# KiCad board Output-mixer.kicad_pcb
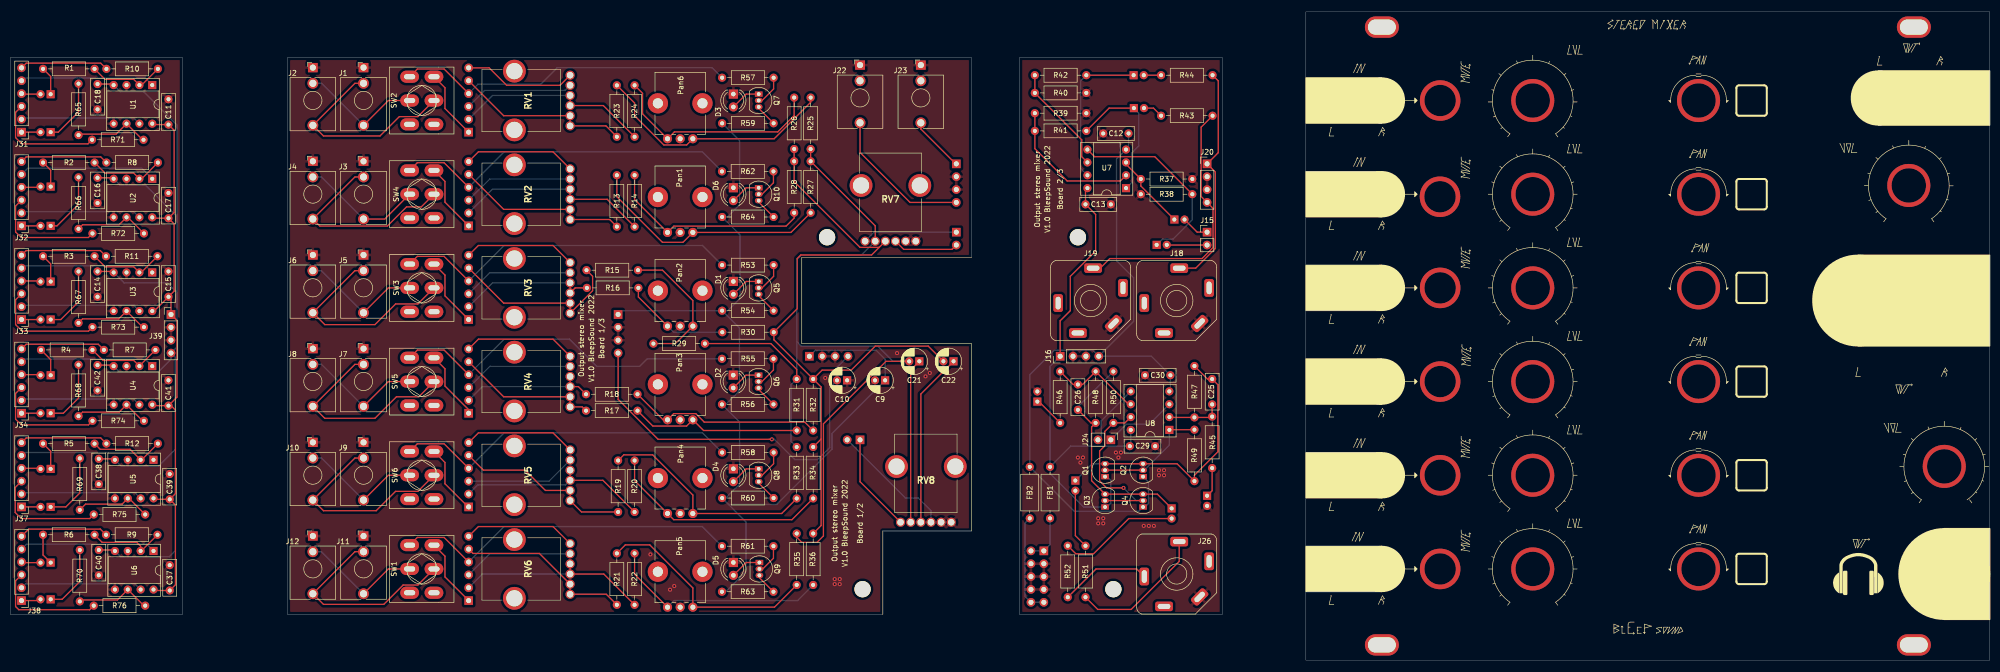
[diagram p0: board, top side]
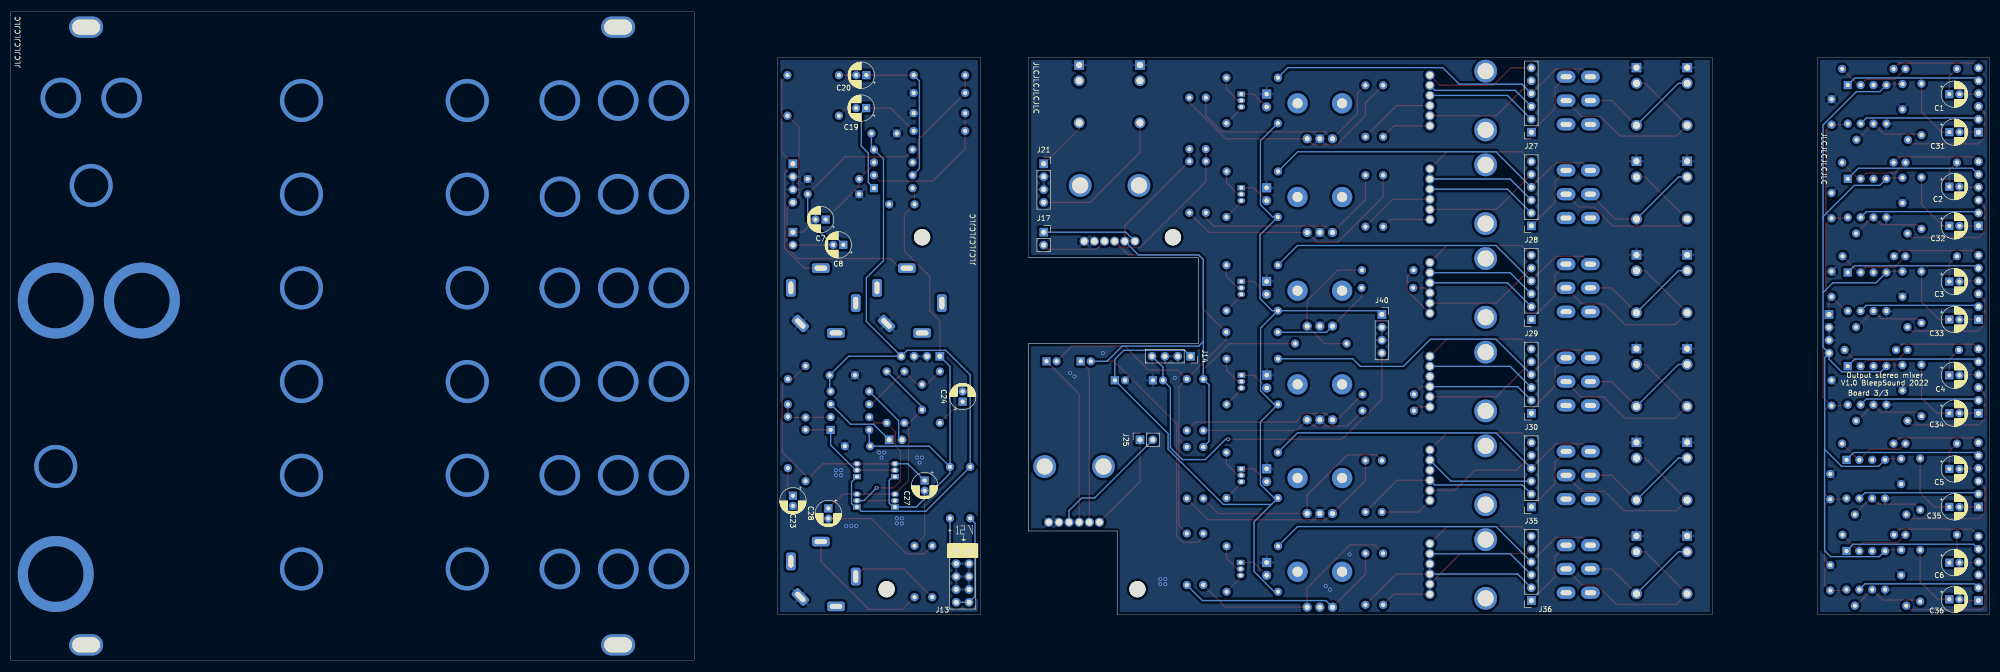
[diagram p1: board, bottom side, seen from below]

Outline 390.75 x 128 mm; copper layers: Top, Bottom. Coordinates in mm from the lower left corner of the outline.
Outline path: 0,119 0,9 34,9 34,119 0,119 ; 54.75,119 54.75,9 172.25,9 172.25,25.5 189.75,25.5 189.75,62.5 156.25,62.5 156.25,79.5 189.75,79.5 189.75,119 54.75,119 ; 199.25,119 199.25,9 239.25,9 239.25,119 199.25,119 ; 255.75,128 255.75,0 390.75,0 390.75,128 255.75,128
Stack: Top 0.035mm / dielectric 1.51mm FR4 er 4.5 / Bottom 0.035mm

## Placement (name value [footprint] x y rotation side)
C1  .1µF  [CP_Radial_D5.0mm_P2.00mm]  8 111.75 180 bottom
C2  .1µF  [CP_Radial_D5.0mm_P2.00mm]  8 93.5 180 bottom
C3  .1µF  [CP_Radial_D5.0mm_P2.00mm]  8 74.75 180 bottom
C4  .1µF  [CP_Radial_D5.0mm_P2.00mm]  8 56.25 180 bottom
C5  .1µF  [CP_Radial_D5.0mm_P2.00mm]  8 37.75 180 bottom
C6  .1µF  [CP_Radial_D5.0mm_P2.00mm]  8 19.25 180 bottom
C7  10µF  [CP_Radial_D5.0mm_P2.00mm]  229.79 87 0 bottom
C8  10µF  [CP_Radial_D5.0mm_P2.00mm]  226.29 82 0 bottom
C9  10µ  [CP_Radial_D5.0mm_P2.00mm]  172.71 55.25 180 top
C10  10µ  [CP_Radial_D5.0mm_P2.00mm]  165.21 55.25 180 top
C11  100nF  [C_Disc_D7.0mm_W2.5mm_P5.00mm]  31.25 105.75 90 top
C12  100nF  [C_Disc_D7.0mm_W2.5mm_P5.00mm]  215.75 104 0 top
C13  100nF  [C_Disc_D7.0mm_W2.5mm_P5.00mm]  212.25 90 0 top
C14  100nF  [C_Disc_D7.0mm_W2.5mm_P5.00mm]  17.25 71.75 90 top
C15  100nF  [C_Disc_D7.0mm_W2.5mm_P5.00mm]  31.25 71.75 90 top
C16  100nF  [C_Disc_D7.0mm_W2.5mm_P5.00mm]  17.25 90.25 90 top
C17  100nF  [C_Disc_D7.0mm_W2.5mm_P5.00mm]  31.25 87.25 90 top
C18  100nF  [C_Disc_D7.0mm_W2.5mm_P5.00mm]  17.25 108.75 90 top
C19  10µF  [CP_Radial_D5.0mm_P2.00mm]  221.79 109 0 bottom
C20  10µF  [CP_Radial_D5.0mm_P2.00mm]  221.75 115.5 0 bottom
C21  1µF  [CP_Radial_D5.0mm_P2.00mm]  179.46 59 180 top
C22  1µF  [CP_Radial_D5.0mm_P2.00mm]  186.21 59 180 top
C23  10µF  [CP_Radial_D5.0mm_P2.00mm]  236.25 32.46 270 bottom
C24  10µF  [CP_Radial_D5.0mm_P2.00mm]  202.75 51.04 90 bottom
C25  470pF  [C_Disc_D7.0mm_W2.5mm_P5.00mm]  237.25 50.5 90 top
C26  470pF  [C_Disc_D7.0mm_W2.5mm_P5.00mm]  210.75 54.42 270 top
C27  10µF  [CP_Radial_D5.0mm_P2.00mm]  210.25 35.46 270 bottom
C28  10µF  [CP_Radial_D5.0mm_P2.00mm]  229.25 29.96 270 bottom
C29  100nF  [C_Disc_D7.0mm_W2.5mm_P5.00mm]  221 42.25 0 top
C30  100nF  [C_Disc_D7.0mm_W2.5mm_P5.00mm]  229 56.25 180 top
C31  .1µF  [CP_Radial_D5.0mm_P2.00mm]  8 104.25 180 bottom
C32  .1µF  [CP_Radial_D5.0mm_P2.00mm]  8 85.75 180 bottom
C33  .1µF  [CP_Radial_D5.0mm_P2.00mm]  8 67.25 180 bottom
C34  .1µF  [CP_Radial_D5.0mm_P2.00mm]  8 48.75 180 bottom
C35  .1µF  [CP_Radial_D5.0mm_P2.00mm]  8 30.25 180 bottom
C36  .1µF  [CP_Radial_D5.0mm_P2.00mm]  8 12 180 bottom
C37  100nF  [C_Disc_D7.0mm_W2.5mm_P5.00mm]  31.5 13.75 90 top
C38  100nF  [C_Disc_D7.0mm_W2.5mm_P5.00mm]  17.5 39.75 270 top
C39  100nF  [C_Disc_D7.0mm_W2.5mm_P5.00mm]  31.5 31.75 90 top
C40  100nF  [C_Disc_D7.0mm_W2.5mm_P5.00mm]  17.5 21.75 270 top
C41  100nF  [C_Disc_D7.0mm_W2.5mm_P5.00mm]  31.25 50.25 90 top
C42  100nF  [C_Disc_D7.0mm_W2.5mm_P5.00mm]  17.25 58.25 270 top
D1  Signal  [LED_D4.0mm]  142.75 74.78 270 top
D2  Signal  [LED_D4.0mm]  142.72 56.28 270 top
D3  Signal  [LED_D4.0mm]  142.75 111.78 270 top
D4  Signal  [LED_D4.0mm]  142.75 37.78 270 top
D5  Signal  [LED_D4.0mm]  142.75 19.28 270 top
D6  Signal  [LED_D4.0mm]  142.75 93.28 270 top
FB1  10R  [L_Axial_L7.0mm_D3.3mm_P10.16mm_Horizontal_Fastron_MICC]  205.25 38.16 270 top
FB2  10R  [L_Axial_L7.0mm_D3.3mm_P10.16mm_Horizontal_Fastron_MICC]  201.25 38.16 270 top
G***  -  [LOGO]  364.8 17 0 top
H1  MountingHole  [Doepfer Mounting hole]  270.75 3 0 top
H2  MountingHole  [Doepfer Mounting hole]  375.75 125 0 top
H3  MountingHole  [Doepfer Mounting hole]  270.75 125 0 top
H4  MountingHole  [Doepfer Mounting hole]  375.75 3 0 top
H5  SpacerHoles  [MountingHole_3.2mm_M3]  168.25 14 0 top
H6  SpacerHoles  [MountingHole_3.2mm_M3]  217.75 14 0 top
H7  SpacerHoles  [MountingHole_3.2mm_M3]  161.25 83.5 0 top
H8  SpacerHoles  [MountingHole_3.2mm_M3]  210.75 83.5 0 top
J1  In  [Thonkiconn]  69.75 117 0 top
J2  In  [Thonkiconn]  59.75 117 0 top
J3  In  [Thonkiconn]  69.75 98.5 0 top
J4  In  [Thonkiconn]  59.75 98.5 0 top
J5  In  [Thonkiconn]  69.75 80 0 top
J6  In  [Thonkiconn]  59.75 80 0 top
J7  In  [Thonkiconn]  69.75 61.5 0 top
J8  In  [Thonkiconn]  59.75 61.5 0 top
J9  In  [Thonkiconn]  69.75 43 0 top
J10  In  [Thonkiconn]  59.75 43 0 top
J11  In  [Thonkiconn]  69.75 24.5 0 top
J12  In  [Thonkiconn]  59.75 24.5 0 top
J13  Power Input  [PinHeader_2x05_P2.54mm_Vertical]  204.03 21.57 180 bottom
J14  Conn_01x04_Female  [PinSocket_1x04_P2.54mm_Vertical]  157.75 60 270 bottom
J15  Conn_01x02_Male  [PinHeader_1x02_P2.54mm_Vertical]  236.25 84.5 0 top
J16  Conn_01x04_Male  [PinHeader_1x04_P2.54mm_Vertical]  207.25 60 90 top
J17  Conn_01x02_Female  [PinSocket_1x02_P2.54mm_Vertical]  186.75 84.5 180 bottom
J18  OutR  [PJ-629HAN]  230.25 71 0 top
J19  OutL  [PJ-629HAN]  213.25 71 0 top
J20  Jack 3.5 Out  [PinHeader_1x04_P2.54mm_Vertical]  236.25 98 0 top
J21  Jack 3.5 Out  [PinSocket_1x04_P2.54mm_Vertical]  186.75 98 180 bottom
J22  OutL  [Thonkiconn]  167.75 117.5 0 top
J23  OutR  [Thonkiconn]  179.75 117.5 0 top
J24  Conn_01x02_Male  [PinHeader_1x02_P2.54mm_Vertical]  217.25 43.5 270 top
J25  Conn_01x02_Female  [PinSocket_1x02_P2.54mm_Vertical]  167.75 43.5 90 bottom
J26  OutHeadStereo  [PJ-629HAN]  230.25 17 0 top
J27  Conn_01x06_Female  [PinSocket_1x06_P2.54mm_Vertical]  90.5 104.25 0 bottom
J28  Conn_01x06_Female  [PinSocket_1x06_P2.54mm_Vertical]  90.5 85.75 0 bottom
J29  Conn_01x06_Female  [PinSocket_1x06_P2.54mm_Vertical]  90.5 67.25 0 bottom
J30  Conn_01x06_Female  [PinSocket_1x06_P2.54mm_Vertical]  90.5 48.75 0 bottom
J31  Conn_01x06_Male  [PinHeader_1x06_P2.54mm_Vertical]  2.25 104.25 180 top
J32  Conn_01x06_Male  [PinHeader_1x06_P2.54mm_Vertical]  2.25 85.75 180 top
J33  Conn_01x06_Male  [PinHeader_1x06_P2.54mm_Vertical]  2.25 67.25 180 top
J34  Conn_01x06_Male  [PinHeader_1x06_P2.54mm_Vertical]  2.25 48.75 180 top
J35  Conn_01x06_Female  [PinSocket_1x06_P2.54mm_Vertical]  90.5 30.25 0 bottom
J36  Conn_01x06_Female  [PinSocket_1x06_P2.54mm_Vertical]  90.5 11.75 0 bottom
J37  Conn_01x06_Male  [PinHeader_1x06_P2.54mm_Vertical]  2.25 30.25 180 top
J38  Conn_01x06_Male  [PinHeader_1x06_P2.54mm_Vertical]  2.25 11.75 180 top
J39  Conn_01x04_Male  [PinHeader_1x04_P2.54mm_Vertical]  31.75 68.25 0 top
J40  Conn_01x04_Female  [PinSocket_1x04_P2.54mm_Vertical]  120 68.25 180 bottom
Pan1  50k  [Pot-bourns-alpha]  134.75 84.45 90 top
Pan2  50k  [Pot-bourns-alpha]  134.75 65.95 90 top
Pan3  50k  [Pot-bourns-alpha]  134.75 47.45 90 top
Pan4  50k  [Pot-bourns-alpha]  134.75 28.95 90 top
Pan5  50k  [Pot-bourns-alpha]  134.75 10.45 90 top
Pan6  50k  [Pot-bourns-alpha]  134.75 102.95 90 top
Q1  BC548  [TO-92_Inline]  216.11 36.23 90 top
Q2  BC558  [TO-92_Inline]  223.61 36.23 90 top
Q3  BC548  [TO-92_Inline]  216.11 30.23 90 top
Q4  BC558  [TO-92_Inline]  223.61 30.23 90 top
Q5  2N3904  [TO-92_Inline]  147.75 74.77 270 top
Q6  2N3904  [TO-92_Inline]  147.72 56.27 270 top
Q7  2N3904  [TO-92_Inline]  147.75 111.78 270 top
Q8  2N3904  [TO-92_Inline]  147.75 37.77 270 top
Q9  2N3904  [TO-92_Inline]  147.89 19.27 270 top
Q10  2N3904  [TO-92_Inline]  147.75 93.27 270 top
R1  10k  [R_Axial_DIN0207_L6.3mm_D2.5mm_P10.16mm_Horizontal]  16.66 116.75 180 top
R2  100k  [R_Axial_DIN0207_L6.3mm_D2.5mm_P10.16mm_Horizontal]  16.66 98.25 180 top
R3  100k  [R_Axial_DIN0207_L6.3mm_D2.5mm_P10.16mm_Horizontal]  16.66 79.75 180 top
R4  100k  [R_Axial_DIN0207_L6.3mm_D2.5mm_P10.16mm_Horizontal]  16.25 61.25 180 top
R5  100k  [R_Axial_DIN0207_L6.3mm_D2.5mm_P10.16mm_Horizontal]  16.66 42.75 180 top
R6  100k  [R_Axial_DIN0207_L6.3mm_D2.5mm_P10.16mm_Horizontal]  16.66 24.75 180 top
R7  10k  [R_Axial_DIN0207_L6.3mm_D2.5mm_P10.16mm_Horizontal]  18.51 61.25 0 top
R8  10k  [R_Axial_DIN0207_L6.3mm_D2.5mm_P10.16mm_Horizontal]  19 98.25 0 top
R9  10k  [R_Axial_DIN0207_L6.3mm_D2.5mm_P10.16mm_Horizontal]  18.92 24.75 0 top
R10  1k  [R_Axial_DIN0207_L6.3mm_D2.5mm_P10.16mm_Horizontal]  19 116.75 0 top
R11  10k  [R_Axial_DIN0207_L6.3mm_D2.5mm_P10.16mm_Horizontal]  18.92 79.75 0 top
R12  10k  [R_Axial_DIN0207_L6.3mm_D2.5mm_P10.16mm_Horizontal]  19 42.75 0 top
R13  2k2  [R_Axial_DIN0207_L6.3mm_D2.5mm_P10.16mm_Horizontal]  119.75 85.59 90 top
R14  2k2  [R_Axial_DIN0207_L6.3mm_D2.5mm_P10.16mm_Horizontal]  123.25 95.75 270 top
R15  2k2  [R_Axial_DIN0207_L6.3mm_D2.5mm_P10.16mm_Horizontal]  113.76 77 0 top
R16  2k2  [R_Axial_DIN0207_L6.3mm_D2.5mm_P10.16mm_Horizontal]  124 73.5 180 top
R17  2k2  [R_Axial_DIN0207_L6.3mm_D2.5mm_P10.16mm_Horizontal]  113.67 49.25 0 top
R18  2k2  [R_Axial_DIN0207_L6.3mm_D2.5mm_P10.16mm_Horizontal]  123.83 52.5 180 top
R19  2k2  [R_Axial_DIN0207_L6.3mm_D2.5mm_P10.16mm_Horizontal]  120 29.25 90 top
R20  2k2  [R_Axial_DIN0207_L6.3mm_D2.5mm_P10.16mm_Horizontal]  123.25 39.41 270 top
R21  2k2  [R_Axial_DIN0207_L6.3mm_D2.5mm_P10.16mm_Horizontal]  119.75 10.92 90 top
R22  2k2  [R_Axial_DIN0207_L6.3mm_D2.5mm_P10.16mm_Horizontal]  123.25 21.08 270 top
R23  2k2  [R_Axial_DIN0207_L6.3mm_D2.5mm_P10.16mm_Horizontal]  119.75 103.34 90 top
R24  2k2  [R_Axial_DIN0207_L6.3mm_D2.5mm_P10.16mm_Horizontal]  123.25 113.5 270 top
R25  47k  [R_Axial_DIN0207_L6.3mm_D2.5mm_P10.16mm_Horizontal]  158 111.08 270 top
R26  47k  [R_Axial_DIN0207_L6.3mm_D2.5mm_P10.16mm_Horizontal]  154.75 100.92 90 top
R27  47k  [R_Axial_DIN0207_L6.3mm_D2.5mm_P10.16mm_Horizontal]  158 88.34 90 top
R28  47k  [R_Axial_DIN0207_L6.3mm_D2.5mm_P10.16mm_Horizontal]  154.75 98.5 270 top
R29  47k  [R_Axial_DIN0207_L6.3mm_D2.5mm_P10.16mm_Horizontal]  126.97 62.5 0 top
R30  47k  [R_Axial_DIN0207_L6.3mm_D2.5mm_P10.16mm_Horizontal]  150.72 64.75 180 top
R31  47k  [R_Axial_DIN0207_L6.3mm_D2.5mm_P10.16mm_Horizontal]  155.25 45.34 90 top
R32  47k  [R_Axial_DIN0207_L6.3mm_D2.5mm_P10.16mm_Horizontal]  158.5 55.5 270 top
R33  47k  [R_Axial_DIN0207_L6.3mm_D2.5mm_P10.16mm_Horizontal]  155.25 31.92 90 top
R34  47k  [R_Axial_DIN0207_L6.3mm_D2.5mm_P10.16mm_Horizontal]  158.5 42.08 270 top
R35  47k  [R_Axial_DIN0207_L6.3mm_D2.5mm_P10.16mm_Horizontal]  155.25 14.84 90 top
R36  47k  [R_Axial_DIN0207_L6.3mm_D2.5mm_P10.16mm_Horizontal]  158.5 25 270 top
R37  100k  [R_Axial_DIN0207_L6.3mm_D2.5mm_P10.16mm_Horizontal]  233.33 95 180 top
R38  100k  [R_Axial_DIN0207_L6.3mm_D2.5mm_P10.16mm_Horizontal]  223.17 92 0 top
R39  100k  [R_Axial_DIN0207_L6.3mm_D2.5mm_P10.16mm_Horizontal]  212.41 108 180 top
R40  100k  [R_Axial_DIN0207_L6.3mm_D2.5mm_P10.16mm_Horizontal]  212.41 112 180 top
R41  100k  [R_Axial_DIN0207_L6.3mm_D2.5mm_P10.16mm_Horizontal]  212.41 104.5 180 top
R42  100k  [R_Axial_DIN0207_L6.3mm_D2.5mm_P10.16mm_Horizontal]  212.41 115.5 180 top
R43  470R  [R_Axial_DIN0207_L6.3mm_D2.5mm_P10.16mm_Horizontal]  237.33 107.5 180 top
R44  470R  [R_Axial_DIN0207_L6.3mm_D2.5mm_P10.16mm_Horizontal]  237.33 115.5 180 top
R45  1k  [R_Axial_DIN0207_L6.3mm_D2.5mm_P10.16mm_Horizontal]  237.25 37.92 90 top
R46  1k  [R_Axial_DIN0207_L6.3mm_D2.5mm_P10.16mm_Horizontal]  207.25 46.84 90 top
R47  10k  [R_Axial_DIN0207_L6.3mm_D2.5mm_P10.16mm_Horizontal]  233.75 47.92 90 top
R48  10k  [R_Axial_DIN0207_L6.3mm_D2.5mm_P10.16mm_Horizontal]  214.25 57 270 top
R49  560R  [R_Axial_DIN0207_L6.3mm_D2.5mm_P10.16mm_Horizontal]  233.75 45.5 270 top
R50  560R  [R_Axial_DIN0207_L6.3mm_D2.5mm_P10.16mm_Horizontal]  217.75 46.84 90 top
R51  47R  [R_Axial_DIN0207_L6.3mm_D2.5mm_P10.16mm_Horizontal]  212.25 12.42 90 top
R52  47R  [R_Axial_DIN0207_L6.3mm_D2.5mm_P10.16mm_Horizontal]  208.75 12.42 90 top
R53  100k  [R_Axial_DIN0207_L6.3mm_D2.5mm_P10.16mm_Horizontal]  140.53 78 0 top
R54  1k  [R_Axial_DIN0207_L6.3mm_D2.5mm_P10.16mm_Horizontal]  140.53 69 0 top
R55  100k  [R_Axial_DIN0207_L6.3mm_D2.5mm_P10.16mm_Horizontal]  140.5 59.5 0 top
R56  1k  [R_Axial_DIN0207_L6.3mm_D2.5mm_P10.16mm_Horizontal]  140.5 50.5 0 top
R57  100k  [R_Axial_DIN0207_L6.3mm_D2.5mm_P10.16mm_Horizontal]  140.53 115 0 top
R58  100k  [R_Axial_DIN0207_L6.3mm_D2.5mm_P10.16mm_Horizontal]  140.53 41 0 top
R59  1k  [R_Axial_DIN0207_L6.3mm_D2.5mm_P10.16mm_Horizontal]  140.53 106 0 top
R60  1k  [R_Axial_DIN0207_L6.3mm_D2.5mm_P10.16mm_Horizontal]  140.53 32 0 top
R61  100k  [R_Axial_DIN0207_L6.3mm_D2.5mm_P10.16mm_Horizontal]  140.5 22.5 0 top
R62  100k  [R_Axial_DIN0207_L6.3mm_D2.5mm_P10.16mm_Horizontal]  140.5 96.5 0 top
R63  1k  [R_Axial_DIN0207_L6.3mm_D2.5mm_P10.16mm_Horizontal]  140.5 13.5 0 top
R64  1k  [R_Axial_DIN0207_L6.3mm_D2.5mm_P10.16mm_Horizontal]  140.53 87.5 0 top
R65  10k  [R_Axial_DIN0207_L6.3mm_D2.5mm_P10.16mm_Horizontal]  13.5 103.67 90 top
R66  10k  [R_Axial_DIN0207_L6.3mm_D2.5mm_P10.16mm_Horizontal]  13.5 85.17 90 top
R67  10k  [R_Axial_DIN0207_L6.3mm_D2.5mm_P10.16mm_Horizontal]  13.5 66.59 90 top
R68  10k  [R_Axial_DIN0207_L6.3mm_D2.5mm_P10.16mm_Horizontal]  13.5 48.17 90 top
R69  10k  [R_Axial_DIN0207_L6.3mm_D2.5mm_P10.16mm_Horizontal]  13.75 29.67 90 top
R70  10k  [R_Axial_DIN0207_L6.3mm_D2.5mm_P10.16mm_Horizontal]  13.75 11.59 90 top
R71  1k  [R_Axial_DIN0207_L6.3mm_D2.5mm_P10.16mm_Horizontal]  16.17 102.75 0 top
R72  1k  [R_Axial_DIN0207_L6.3mm_D2.5mm_P10.16mm_Horizontal]  16.25 84.25 0 top
R73  1k  [R_Axial_DIN0207_L6.3mm_D2.5mm_P10.16mm_Horizontal]  16.25 65.75 0 top
R74  1k  [R_Axial_DIN0207_L6.3mm_D2.5mm_P10.16mm_Horizontal]  16.25 47.25 0 top
R75  1k  [R_Axial_DIN0207_L6.3mm_D2.5mm_P10.16mm_Horizontal]  16.5 28.75 0 top
R76  1k  [R_Axial_DIN0207_L6.3mm_D2.5mm_P10.16mm_Horizontal]  16.5 10.75 0 top
RV1  50k  [PTV1124420AA503]  110.53 107.5 90 top
RV2  50k  [PTV1124420AA503]  110.53 89 90 top
RV3  50k  [PTV1124420AA503]  110.53 70.5 90 top
RV4  50k  [PTV1124420AA503]  110.53 52 90 top
RV5  50k  [PTV1124420AA503]  110.53 33.5 90 top
RV6  50k  [PTV1124420AA503]  110.53 15 90 top
RV7  50k  [PTV1124420AA503]  170.75 82.72 0 top
RV8  50k  [PTV1124420AA503]  177.75 27.22 0 top
SW1  Mute  [SW_DPDT_Toggle]  81.25 18 90 top
SW2  Mute  [SW_DPDT_Toggle]  81.25 110.5 90 top
SW3  Mute  [SW_DPDT_Toggle]  81.25 73.5 90 top
SW4  Mute  [SW_DPDT_Toggle]  81.25 92 90 top
SW5  Mute  [SW_DPDT_Toggle]  81.25 55 90 top
SW6  Mute  [SW_DPDT_Toggle]  81.25 36.5 90 top
U1  TL072  [DIP-8_W7.62mm_Socket]  28.05 113.55 270 top
U2  TL072  [DIP-8_W7.62mm_Socket]  28.05 95.05 270 top
U3  TL072  [DIP-8_W7.62mm_Socket]  28.05 76.55 270 top
U4  TL072  [DIP-8_W7.62mm_Socket]  28.05 58.05 270 top
U5  TL072  [DIP-8_W7.62mm_Socket]  28.3 39.55 270 top
U6  TL072  [DIP-8_W7.62mm_Socket]  28.3 21.55 270 top
U7  TL072  [DIP-8_W7.62mm_Socket]  220.25 93.2 180 top
U8  TL072  [DIP-8_W7.62mm_Socket]  228.8 45.45 180 top

## Footprints (pads in the part's own frame, mm; a bottom-side part is the same pattern mirrored in y, then rotated)
C_Disc_D7.0mm_W2.5mm_P5.00mm
  round 1.6 hole 0.8: 1(0,0) 2(5,0)
CP_Radial_D5.0mm_P2.00mm
  rect 1.6x1.6 hole 0.8: 1(0,0)
  round 1.6 hole 0.8: 2(2,0)
DIP-8_W7.62mm_Socket
  rect 1.6x1.6 hole 0.8: 1(0,0)
  oval 1.6x1.6 hole 0.8: 2(0,-2.54) 3(0,-5.08) 4(0,-7.62) 5(7.62,-7.62) 6(7.62,-5.08) 7(7.62,-2.54) 8(7.62,0)
Doepfer Mounting hole
  oval 6.7x4.2 hole 5.5x3: 1(0,0)
L_Axial_L7.0mm_D3.3mm_P10.16mm_Horizontal_Fastron_MICC
  round 1.6 hole 0.8: 1(0,0)
  oval 1.6x1.6 hole 0.8: 2(10.16,0)
LED_D4.0mm
  rect 1.8x1.8 hole 0.9: 1(0,0)
  round 1.8 hole 0.9: 2(2.54,0)
MountingHole_3.2mm_M3
  round 3.2 hole 3.2 unplated: (0,0)
PinHeader_1x02_P2.54mm_Vertical
  rect 1.7x1.7 hole 1: 1(0,0)
  oval 1.7x1.7 hole 1: 2(0,-2.54)
PinHeader_1x04_P2.54mm_Vertical
  rect 1.7x1.7 hole 1: 1(0,0)
  oval 1.7x1.7 hole 1: 2(0,-2.54) 3(0,-5.08) 4(0,-7.62)
PinHeader_1x06_P2.54mm_Vertical
  rect 1.7x1.7 hole 1: 1(0,0)
  oval 1.7x1.7 hole 1: 2(0,-2.54) 3(0,-5.08) 4(0,-7.62) 5(0,-10.16) 6(0,-12.7)
PinHeader_2x05_P2.54mm_Vertical
  rect 1.7x1.7 hole 1: 1(0,0)
  oval 1.7x1.7 hole 1: 2(2.54,0) 3(0,-2.54) 4(2.54,-2.54) 5(0,-5.08) 6(2.54,-5.08) 7(0,-7.62) 8(2.54,-7.62) 9(0,-10.16) 10(2.54,-10.16)
PinSocket_1x02_P2.54mm_Vertical
  rect 1.7x1.7 hole 1: 1(0,0)
  oval 1.7x1.7 hole 1: 2(0,-2.54)
PinSocket_1x04_P2.54mm_Vertical
  rect 1.7x1.7 hole 1: 1(0,0)
  oval 1.7x1.7 hole 1: 2(0,-2.54) 3(0,-5.08) 4(0,-7.62)
PinSocket_1x06_P2.54mm_Vertical
  rect 1.7x1.7 hole 1: 1(0,0)
  oval 1.7x1.7 hole 1: 2(0,-2.54) 3(0,-5.08) 4(0,-7.62) 5(0,-10.16) 6(0,-12.7)
PJ-629HAN
  rrect 1.9x3.5 hole 1x2.5: R(-6.4,-0.5) TN(6.4,2.5)
  rrect 3.5x1.9 hole 2.5x1: RN(-2.5,-6.4) T(0.5,6.4)
  rrect 3.5x1.9 hole 2.5x1 rot 45: S(4.53,-4.53)
Pot-bourns-alpha
  round 4 hole 2 unplated: (7,6.9) (7,-1.9)
  round 1.8 hole 1: 1(0,0) 2(0,2.5) 3(0,5)
PTV1124420AA503
  round 1.8 hole 1.3: 1(0,0) 2(-2,0) 3(8,0) 4(2,0) 5(4,0) 6(6,0)
  round 4.5 hole 3.202: MH1(-2.8,11) MH2(8.8,11)
R_Axial_DIN0207_L6.3mm_D2.5mm_P10.16mm_Horizontal
  round 1.6 hole 0.8: 1(0,0)
  oval 1.6x1.6 hole 0.8: 2(10.16,0)
SW_DPDT_Toggle
  oval 2.4x3.7 hole 1x2.2: 1(4.7,2.4) 2(0,2.4) 3(-4.7,2.4) 4(4.7,-2.4) 5(0,-2.4) 6(-4.7,-2.4)
Thonkiconn
  rect 1.93x1.83 hole 1.22: S(0,0)
  round 2.13 hole 1.43: T(0,-11.4)
  round 2.13 hole 1.42: TN(0,-3.1)
TO-92_Inline
  rect 1.05x1.5 hole 0.75: 1(0,0)
  oval 1.05x1.5 hole 0.75: 2(1.27,0) 3(2.54,0)
